# KiCad board hscalla.kicad_pcb (continued)
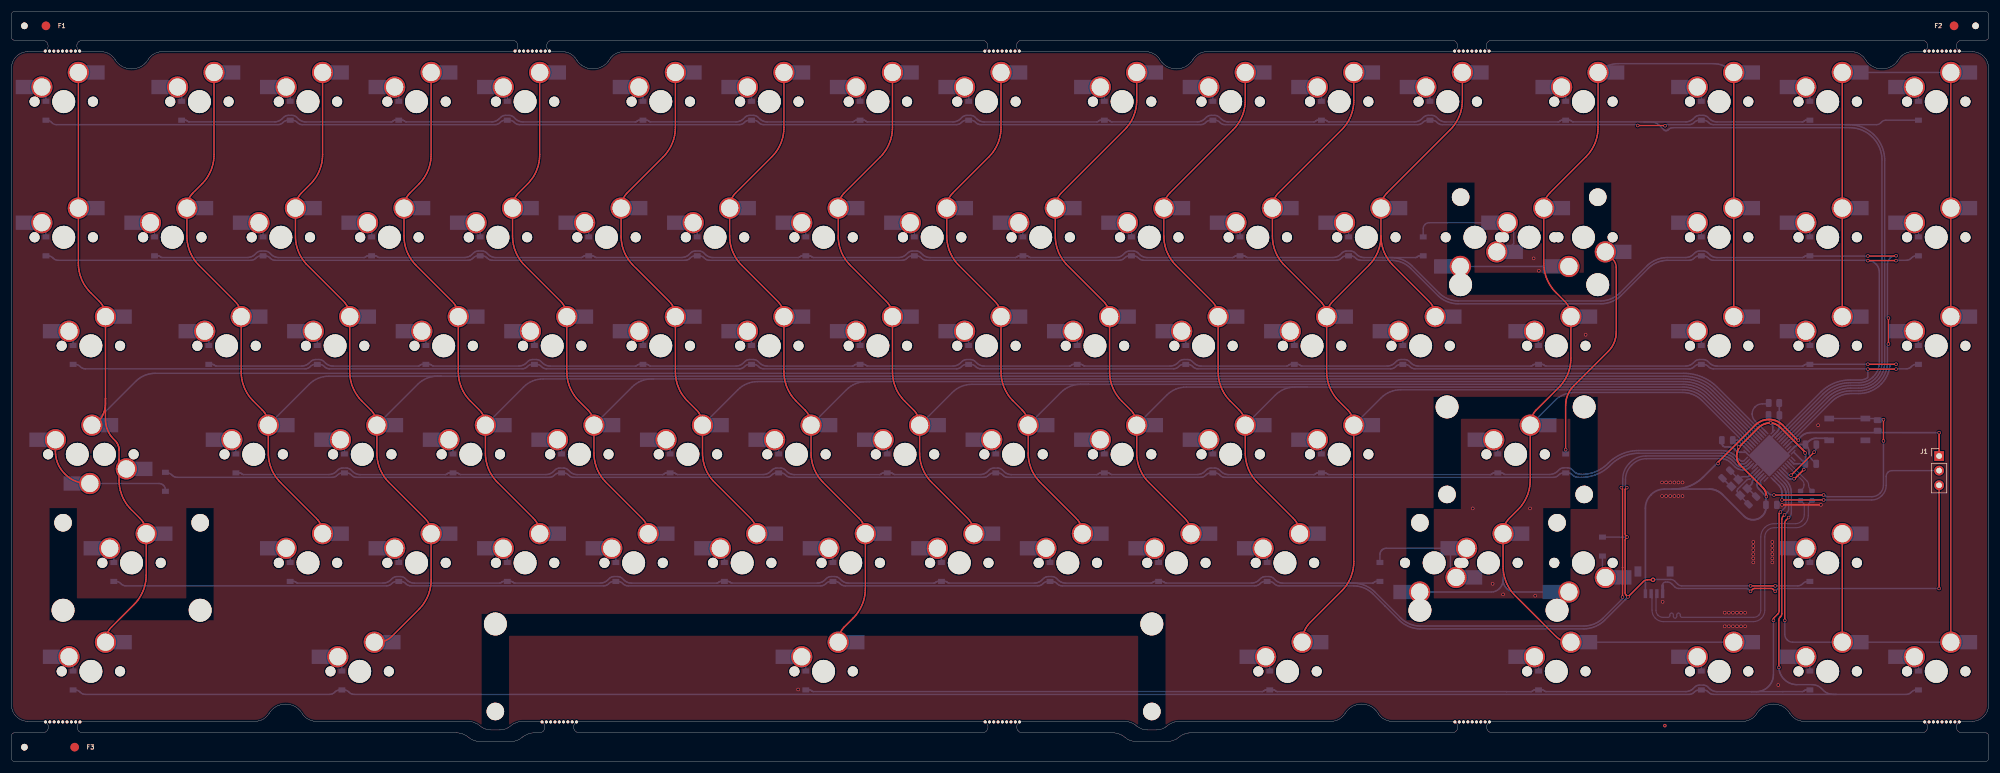
[diagram p0: board, top side]
## Routing (per net, layer and track width the routed paths; a pad name or vN(x,y) marks a point on that pad's centre or on a via; arc(x,y) is an arc through that point) (continued)
Net-(D28-Pad2): length 1.8
  Bottom w0.25: D28.2 176.1,93.13
Net-(D29-Pad2): length 1.8
  Bottom w0.25: D29.2 195,93.13
Net-(D30-Pad2): length 1.8
  Bottom w0.25: D30.2 213.9,93.13
Net-(D31-Pad2): length 1.8
  Bottom w0.25: D31.2 232.8,93.13
Net-(D32-Pad2): length 20.1
  Bottom w0.25: 261.55,92.73 261.55,90.22 260.89,89.55 ; MX_backspace_1.1 246.84,93.84 arc(246.46,93.76) 246.13,93.55 246.09,93.51 arc(245.88,93.18) 245.8,92.8 D32.2
Net-(D33-Pad2): length 1.8
  Bottom w0.25: D33.2 294.23,93.13
Net-(D34-Pad2): length 1.8
  Bottom w0.25: D34.2 313.13,93.13
Net-(D35-Pad2): length 1.8
  Bottom w0.25: D35.2 332.03,93.13
Net-(D36-Pad2): length 1.8
  Bottom w0.25: D36.2 10.73,74.23
Net-(D37-Pad2): length 1.8
  Bottom w0.25: D37.2 34.35,74.23
Net-(D38-Pad2): length 1.8
  Bottom w0.25: D38.2 53.25,74.23
Net-(D39-Pad2): length 1.8
  Bottom w0.25: D39.2 72.15,74.23
Net-(D40-Pad2): length 1.8
  Bottom w0.25: D40.2 91.05,74.23
Net-(D41-Pad2): length 1.8
  Bottom w0.25: D41.2 109.95,74.23
Net-(D42-Pad2): length 1.8
  Bottom w0.25: D42.2 128.85,74.23
Net-(D43-Pad2): length 1.8
  Bottom w0.25: D43.2 147.75,74.23
Net-(D44-Pad2): length 1.8
  Bottom w0.25: D44.2 166.65,74.23
Net-(D45-Pad2): length 1.8
  Bottom w0.25: D45.2 185.55,74.23
Net-(D46-Pad2): length 1.8
  Bottom w0.25: D46.2 204.45,74.23
Net-(D47-Pad2): length 1.8
  Bottom w0.25: D47.2 223.35,74.23
Net-(D48-Pad2): length 1.8
  Bottom w0.25: D48.2 242.25,74.23
Net-(D49-Pad2): length 1.8
  Bottom w0.25: D49.2 265.88,74.23
Net-(D50-Pad2): length 1.8
  Bottom w0.25: D50.2 294.23,74.23
Net-(D51-Pad2): length 1.8
  Bottom w0.25: D51.2 313.13,74.23
Net-(D52-Pad2): length 1.8
  Bottom w0.25: D52.2 332.03,74.23
Net-(D53-Pad2): length 23.2
  Top w0.25: MX50.1 7.65,53.98 7.66,53.71 7.68,53.45 7.71,53.18 7.76,52.92 7.82,52.66 7.89,52.4 7.97,52.15 8.07,51.9 8.17,51.66 8.29,51.42 8.43,51.19 8.57,50.96 8.72,50.74 8.89,50.53 9.06,50.33 9.24,50.14 9.37,50.01 9.56,49.83 9.76,49.65 9.97,49.49 10.19,49.34 10.42,49.19 10.65,49.06 10.89,48.94 11.13,48.83 11.38,48.74 11.63,48.65 11.89,48.58
  Bottom w0.25: 26.8,47.32 26.78,47.53 26.72,47.73 26.62,47.92 26.48,48.08 26.46,48.1 26.3,48.24 26.11,48.34 25.91,48.4 25.7,48.42 MX51.2
Net-(D54-Pad2): length 1.8
  Bottom w0.25: D54.2 39.08,55.33
Net-(D55-Pad2): length 1.8
  Bottom w0.25: D55.2 57.98,55.33
Net-(D56-Pad2): length 1.8
  Bottom w0.25: D56.2 76.88,55.33
Net-(D57-Pad2): length 1.8
  Bottom w0.25: D57.2 95.78,55.33
Net-(D58-Pad2): length 1.8
  Bottom w0.25: D58.2 114.68,55.33
Net-(D59-Pad2): length 1.8
  Bottom w0.25: D59.2 133.58,55.33
Net-(D60-Pad2): length 1.8
  Bottom w0.25: D60.2 152.48,55.33
Net-(D61-Pad2): length 1.8
  Bottom w0.25: D61.2 171.38,55.33
Net-(D62-Pad2): length 1.8
  Bottom w0.25: D62.2 190.28,55.33
Net-(D63-Pad2): length 1.8
  Bottom w0.25: D63.2 209.18,55.33
Net-(D64-Pad2): length 1.8
  Bottom w0.25: D64.2 228.08,55.33
Net-(D65-Pad2): length 1.8
  Bottom w0.25: D65.2 258.79,55.33
Net-(D66-Pad2): length 39.1
  Top w0.25: v2(270.6,54.33) 270.6,62.02 270.61,62.25 270.62,62.49 270.65,62.72 270.69,62.96 270.74,63.19 270.81,63.42 270.88,63.64 270.97,63.86 271.06,64.08 271.17,64.29 271.29,64.5 271.41,64.7 271.55,64.89 271.7,65.08 271.85,65.26 272.01,65.43 278,71.41 278.16,71.58 278.31,71.76 278.46,71.95 278.6,72.14 278.72,72.34 278.84,72.55 278.95,72.76 279.04,72.98 279.13,73.2 279.2,73.42 279.27,73.65 279.32,73.88 279.36,74.12 279.39,74.35 279.4,74.59 279.41,74.82 279.41,86.03 arc(279.26,86.8) 278.82,87.45 MX_backspace_3.1
  Bottom w0.25: D66.2 v2(270.6,54.32)
Net-(D67-Pad2): length 1.8
  Bottom w0.25: D67.2 17.81,36.43
Net-(D68-Pad2): length 1.8
  Bottom w0.25: D68.2 48.53,36.43
Net-(D69-Pad2): length 1.8
  Bottom w0.25: D69.2 67.43,36.43
Net-(D70-Pad2): length 1.8
  Bottom w0.25: D70.2 86.33,36.43
Net-(D71-Pad2): length 1.8
  Bottom w0.25: D71.2 105.23,36.43
Net-(D72-Pad2): length 1.8
  Bottom w0.25: D72.2 124.13,36.43
Net-(D73-Pad2): length 1.8
  Bottom w0.25: D73.2 143.03,36.43
Net-(D74-Pad2): length 1.8
  Bottom w0.25: D74.2 161.93,36.43
Net-(D75-Pad2): length 1.8
  Bottom w0.25: D75.2 180.83,36.43
Net-(D76-Pad2): length 1.8
  Bottom w0.25: D76.2 199.73,36.43
Net-(D77-Pad2): length 1.8
  Bottom w0.25: D77.2 218.63,36.43
Net-(D78-Pad2): length 18.6
  Bottom w0.25: D78.2 238.26,36.04 238.28,36.25 238.35,36.46 238.45,36.64 238.58,36.81 238.59,36.82 238.76,36.96 238.95,37.06 239.15,37.12 239.36,37.14 MX_rshift1.1 ; 250.55,32.71 250.55,36.49
Net-(D79-Pad2): length 2.7
  Bottom w0.25: D79.2 277.01,33.81 277.51,33.31
Net-(D80-Pad2): length 1.8
  Bottom w0.25: D80.2 313.13,36.43
Net-(D81-Pad2): length 1.8
  Bottom w0.25: D81.2 10.73,17.53
Net-(D83-Pad2): length 1.8
  Bottom w0.25: D83.2 57.53,17.53
Net-(D84-Pad2): length 1.8
  Bottom w0.25: D84.2 138.3,17.53
Net-(D85-Pad2): length 1.8
  Bottom w0.25: D85.2 219.08,17.53
Net-(D87-Pad2): length 1.8
  Bottom w0.25: D87.2 265.88,17.53
Net-(D88-Pad2): length 1.8
  Bottom w0.25: D88.2 294.23,17.53
Net-(D89-Pad2): length 1.8
  Bottom w0.25: D89.2 313.13,17.53
Net-(D90-Pad2): length 1.8
  Bottom w0.25: D90.2 332.03,17.53
Net-(R1-Pad2): length 46
  Top w0.25: v2(306.87,46.41) v2(315.51,46.41) ; v2(325.93,55.83) v2(325.93,59.53)
  Bottom w0.25: v2(325.93,55.83) 325.93,48.13 arc(325.78,47.37) 325.35,46.72 325.33,46.71 arc(324.68,46.27) 323.92,46.12 316.24,46.12 arc(316.01,46.17) 315.81,46.3 315.7,46.41 v2(315.51,46.41) ; v2(325.93,59.53) 324.92,59.53 324.83,59.45 324.55,59.73 316.38,59.73 ; U1.13 304.62,48.99 arc(304.54,48.86) 304.51,48.71 304.51,48.61 304.51,48.5 304.53,48.38 304.56,48.26 304.6,48.15 304.65,48.04 304.71,47.94 304.78,47.85 304.86,47.76 305.92,46.71 arc(306.24,46.49) 306.62,46.41 v2(306.87,46.41)
Net-(R3-Pad1): length 5.9
  Bottom w0.2: R3.1 311.8,47.42 arc(312.02,47.74) 312.1,48.12 312.1,48.26 arc(312.02,48.64) 311.8,48.96 U1.4
Net-(R4-Pad1): length 6.4
  Bottom w0.2: U1.3 312.6,48.87 arc(312.82,48.55) 312.9,48.16 312.9,48.12 arc(312.97,47.74) 313.19,47.42 R4.1
Net-(R5-Pad2): length 7.9
  Bottom w0.25: U1.33 303.57,59.32 arc(303.2,59.87) 303.07,60.52 303.07,60.55 arc(303.2,61.2) 303.57,61.75 303.61,61.79 arc(304.16,62.16) 304.81,62.29 305.96,62.29

## Copper pours and planes (outline as drawn; the poured copper is in the pictures)
GND on Top, Bottom: 346.15,4.12 -4.37,4.12 -4.37,126.04 346.15,126.04
GND on Bottom: 296.1,52.74 291.41,47.5 296.95,47.45 302.24,42.16 304.22,42.16 305.64,43.58 305.64,52.74

## Text on the board
B.Silkscreen: C80-3000HCALLA | J33 | MX HS PCB
